# Altium PCB NORA-B1-EVK.PcbDoc (part 1 of 6) (continued)
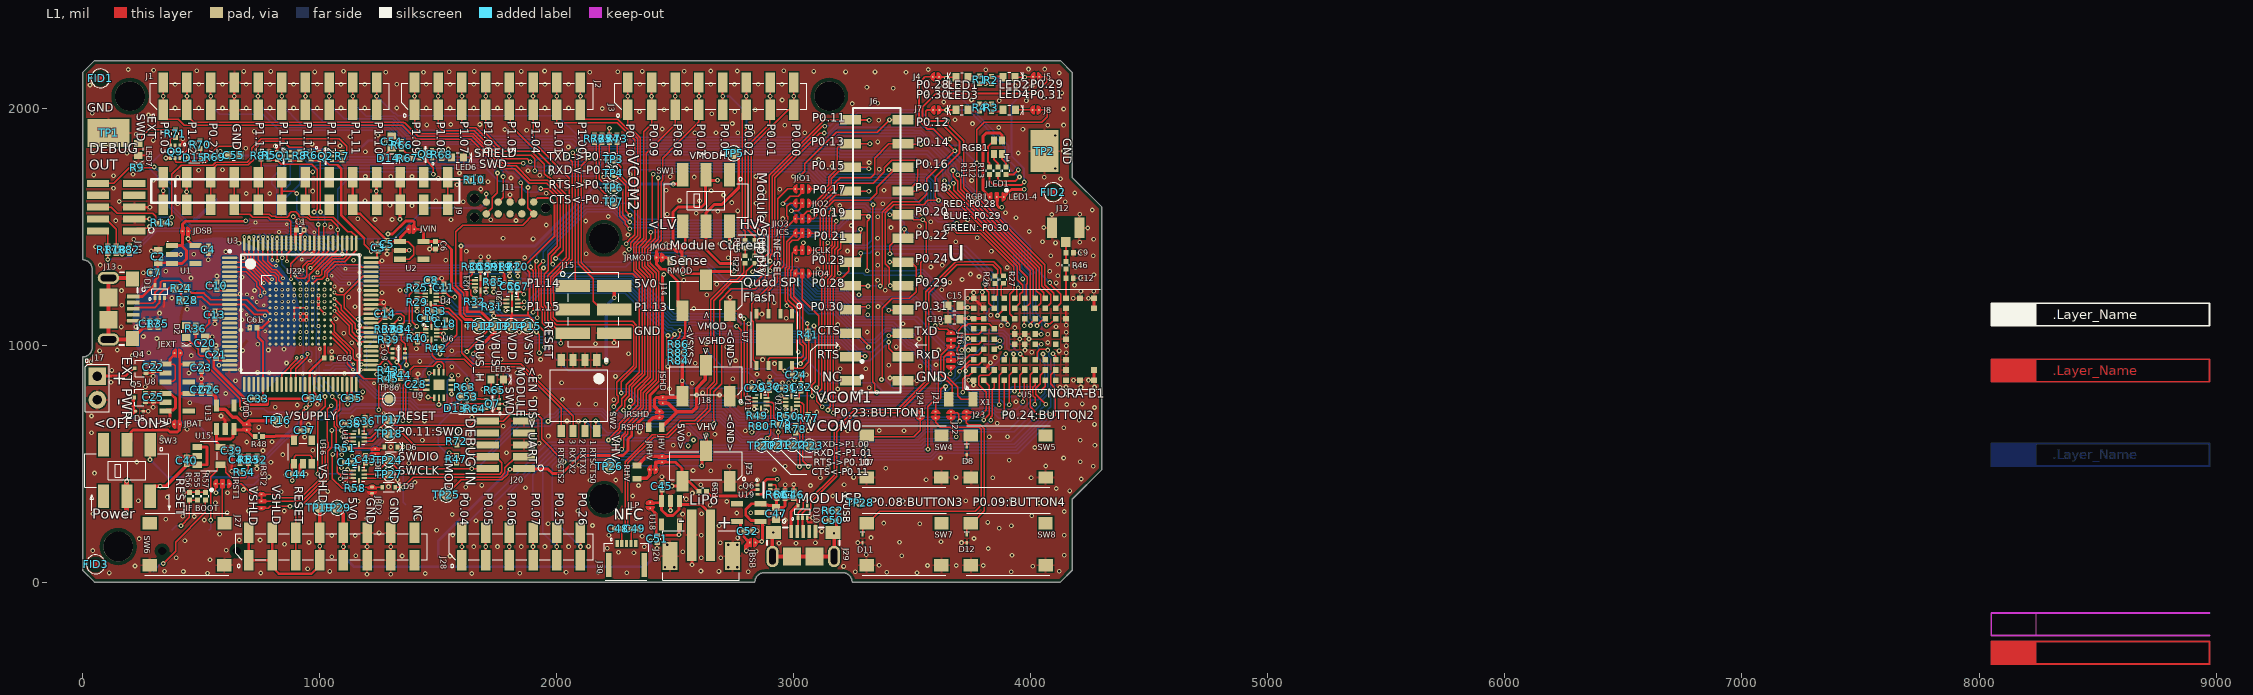
[diagram p0: L1 view]
## Components (designator, comment, footprint, x,y, rotation, side; value= is the part's Value field where it differs from the comment) (continued)
JVIN "UBXH00-0000082" Solderbridge-Open#8 1398.62,1488.99 r180 top
LED1 "UBXH11-0000000" LED_0603_RED 3709.48,2129.92 r0 top value=RED
LED2 "UBXH11-0000000" LED_0603_RED 3908.46,2130.53 r180 top value=RED
LED3 "UBXH11-0000001" LED_0603_GREEN 3709,1992 r0 top value=GREEN
LED4 "UBXH11-0000001" LED_0603_GREEN 3909,1992 r180 top value=GREEN
LED5 "UBXH11-0000001" LED_0603_GREEN 1749.02,854.7 r180 top value=GREEN
LED6 "UBXH11-0000001" LED_0603_GREEN 1582,1791.59 r180 top value=GREEN
LED7 "UBXH11-0000001" LED_0603_GREEN 235.24,1825.79 r90 top value=GREEN
Q1 "UBXH20-0000084" SOT-563 847.91,1798.32 r0 top value=NTZD3155CT1G
Q2 "UBXH20-0000084" SOT-563 1025.28,1797.34 r0 top value=NTZD3155CT1G
Q3 "UBXH20-0000084" SOT-563 1333.32,965.27 r0 top value=NTZD3155CT1G
Q4 "UBXH20-0000087" SOT-523 241.71,901.78 r90 top
Q5 "UBXH20-0000087" SOT-523 239.76,778.54 r90 top
Q6 "UBXH20-0000084" SOT-563 2874,390.23 r0 top value=NTZD3155CT1G
Q7 "UBXH20-0000084" SOT-563 1730.48,751.9 r180 top value=NTZD3155CT1G
Q8 "UBXH20-0000084" SOT-563 1447.41,1805.12 r180 top value=NTZD3155CT1G
Q9 "UBXH20-0000084" SOT-563 390.15,1815.94 r270 top value=NTZD3155CT1G
R1 "UBXH18-0000269499R" "RES 0402 HD" 3784,2118.75 r270 top value=499R
R2 "UBXH18-0000269499R" "RES 0402 HD" 3834,2118 r270 top value=499R
R3 "UBXH18-0000269499R" "RES 0402 HD" 3834,2001.25 r270 top value=499R
R4 "UBXH18-0000269499R" "RES 0402 HD" 3784,2002 r270 top value=499R
R5 "UBXH18-000006510K" "RES 0402 HD" 786.42,1799.9 r270 top value=10K
R6 "UBXH18-000006510K" "RES 0402 HD" 962.97,1800.2 r270 top value=10K
R7 "UBXH18-000006510K" "RES 0402 HD" 1094.49,1797.34 r90 top value=10K
R8 "UBXH18-000006510K" "RES 0402 HD" 915.87,1798.32 r270 top value=10K
R9 "UBXH18-0000269499R" "RES 0402 HD" 230,1747.2 r0 top value=499R
R10 "UBXH18-0007056200R" "RES 0603 HD" 1652.89,1697.98 r180 top value=200R
R11 "UBXH18-0008033220R" "RES 0402 HD" 3826,1736 r90 top value=220R
R12 "UBXH18-0008033220R" "RES 0402 HD" 3861,1736 r90 top value=220R
R13 "UBXH18-0000269499R" "RES 0402 HD" 3896,1736 r90 top value=499R
R14 "UBXH18-0000269499R" "RES 0402 HD" 331.61,1515.45 r0 top value=499R
R15 "UBXH18-00030020R" "RES 0402 HD" 2794.29,1425.25 r270 top value=0R
R16 "UBXH18-00030020R" "RES 0402 HD" 2835.63,1425.09 r270 top value=0R
R17 "UBXH18-0000269499R" "RES 0402 HD" 106.02,1401.57 r270 top value=499R
R18 "UBXH18-0000269499R" "RES 0402 HD" 141.73,1401.57 r270 top value=499R
R19 "UBXH18-00081211M0" "RES 0402 HD" 1766.73,1329.43 r270 top value=1M0
R20 "UBXH18-0000005100K" "RES 0402 HD" 1835.63,1329.72 r90 top value=100K
R21 "UBXH18-0000005100K" "RES 0402 HD" 1801.18,1329.72 r90 top value=100K
R22 "UBXH18-00030020R" "RES 0402 HD" 2794.29,1361.2 r90 top value=0R
R23 "UBXH18-00030020R" "RES 0402 HD" 2835.63,1361.2 r90 top value=0R
R24 "UBXH18-000703527R" "RES 0603 HD" 415.1,1240.35 r0 top value=27R
R25 "UBXH18-0000005100K" "RES 0402 HD" 1411,1242.68 r90 top value=100K
R26 "UBXH18-000801127R" "RES 0402 HD" 3848.15,1275.59 r90 top value=27R
R27 "UBXH18-000801127R" "RES 0402 HD" 3884.71,1276.57 r90 top value=27R
R28 "UBXH18-000703527R" "RES 0603 HD" 441.8,1188.98 r0 top value=27R
R29 "UBXH18-0000005100K" "RES 0402 HD" 1411,1180.11 r270 top value=100K
R30 "UBXH18-00081211M0" "RES 0402 HD" 1643.45,1330.69 r90 top value=1M0
R31 "UBXH18-0000005100K" "RES 0402 HD" 1726.97,1161.52 r270 top value=100K
R32 "UBXH18-0000005100K" "RES 0402 HD" 1654.17,1181.91 r270 top value=100K
R33 "UBXH18-000006510K" "RES 0402 HD" 1489.04,1143 r180 top value=10K
R34 "UBXH18-000006510K" "RES 0402 HD" 1343.21,1067.14 r270 top value=10K
R35 "UBXH18-000006510K" "RES 0402 HD" 318.47,1089.06 r90 top value=10K
R36 "UBXH18-0000269499R" "RES 0402 HD" 477.36,1069.18 r270 top value=499R
R37 "UBXH18-000006510K" "RES 0402 HD" 1275.71,1066.73 r90 top value=10K
R38 "UBXH18-000006510K" "RES 0402 HD" 1309.15,1066.73 r90 top value=10K
R39 "UBXH18-00002134K7" "RES 0402 HD" 1290.71,1021.73 r0 top value=4K7
R40 "UBXH18-00081211M0" "RES 0402 HD" 1412.4,1029.53 r270 top value=1M0
R41 "UBXH18-0008113470K" "RES 0402 HD" 3059.06,1043.83 r270 top value=470K
R42 "UBXH18-000006510K" "RES 0402 HD" 1491.65,987.2 r180 top value=10K
R43 "UBXH18-000006510K" "RES 0402 HD" 1288.49,893.19 r0 top value=10K
R44 "UBXH18-000006510K" "RES 0402 HD" 1341.74,873.56 r270 top value=10K
R45 "UBXH18-000006510K" "RES 0402 HD" 1288.49,857.82 r0 top value=10K
R46 "UBXH18-00030020R" "RES 0402 HD" 4148.23,1336.46 r90 top value=0R
R47 "UBXH18-00081211M0" "RES 0402 HD" 1576.45,519 r90 top value=1M0
R48 "UBXH18-00030020R" "RES 0402 HD" 743.7,615 r0 top value=0R
R49 "UBXH18-000006510K" "RES 0402 HD" 2846.68,701.43 r180 top value=10K
R50 "UBXH18-000006510K" "RES 0402 HD" 2974.16,700.84 r0 top value=10K
R51 "UBXH18-000006510K" "RES 0402 HD" 1108,564 r0 top value=10K
R52 "UBXH18-00080491K0" "RES 0402 HD" 735.24,516.94 r90 top value=1K0
R53 "UBXH18-000006510K" "RES 0402 HD" 700.03,516.94 r90 top value=10K
R54 "UBXH18-00005688K87" "RES 0402 HD" 682.09,464.32 r0 top value=8K87
R55 "UBXH18-000006510K" "RES 0402 HD" 484.06,361.73 r270 top value=10K
R56 "UBXH18-000006510K" "RES 0402 HD" 450.79,361.73 r270 top value=10K
R57 "UBXH18-00005694K22" "RES 0402 HD" 517.9,361.73 r270 top value=4K22
R58 "UBXH18-000006510K" "RES 0402 HD" 1149.09,395.3 r0 top value=10K
R59 "UBXH18-000006510K" "RES 0402 HD" 2616.14,382.87 r0 top value=10K
R60 "UBXH18-000006510K" "RES 0402 HD" 2929.08,369.23 r270 top value=10K
R61 "UBXH18-000006510K" "RES 0402 HD" 2963.5,369.23 r90 top value=10K
R62 "UBXH18-000006510K" "RES 0402 HD" 3165,301.23 r180 top value=10K
R63 "UBXH18-0000005100K" "RES 0402 HD" 1611.96,822.36 r0 top value=100K
R64 "UBXH18-0008033220R" "RES 0402 HD" 1656.5,732.21 r0 top value=220R
R65 "UBXH18-0008033220R" "RES 0402 HD" 1738.96,809.73 r180 top value=220R
R66 "UBXH18-0000005100K" "RES 0402 HD" 1345.47,1843.57 r90 top value=100K
R67 "UBXH18-0008033220R" "RES 0402 HD" 1372.18,1788.39 r0 top value=220R
R68 "UBXH18-0008033220R" "RES 0402 HD" 1514.76,1802.17 r270 top value=220R
R69 "UBXH18-0000005100K" "RES 0402 HD" 558.12,1793.31 r0 top value=100K
R70 "UBXH18-0008033220R" "RES 0402 HD" 495.3,1845.47 r90 top value=220R
R71 "UBXH18-0008033220R" "RES 0402 HD" 391.69,1891.73 r90 top value=220R
R72 "UBXH18-0000005100K" "RES 0402 HD" 1578.74,594.49 r90 top value=100K
R73 "UBXH18-0000005100K" "RES 0402 HD" 2255,1870.69 r90 top value=100K
R74 "UBXH18-0000005100K" "RES 0402 HD" 2222.44,1870.69 r90 top value=100K
R75 "UBXH18-0000005100K" "RES 0402 HD" 2190.55,1870.69 r90 top value=100K
R76 "UBXH18-0000005100K" "RES 0402 HD" 2159.45,1870.69 r90 top value=100K
R77 "UBXH18-0000005100K" "RES 0402 HD" 3061.22,691.94 r90 top value=100K
R78 "UBXH18-0000005100K" "RES 0402 HD" 3008.37,644.69 r90 top value=100K
R79 "UBXH18-0000005100K" "RES 0402 HD" 2946.85,666.34 r0 top value=100K
R80 "UBXH18-0000005100K" "RES 0402 HD" 2853.98,658.57 r180 top value=100K
R81 "UBXH18-00081211M0" "RES 0402 HD" 752.91,1799.46 r270 top value=1M0
R82 "UBXH18-00081211M0" "RES 0402 HD" 197.18,1401.57 r270 top value=1M0
R83 "UBXH18-0000005100K" "RES 0402 HD" 2512,968.2 r0 top value=100K
R84 "UBXH18-0000005100K" "RES 0402 HD" 2512.42,933.55 r0 top value=100K
R85 "UBXH18-0000005100K" "RES 0402 HD" 1733.73,1264.92 r90 top value=100K
R86 "UBXH18-0000005100K" "RES 0402 HD" 2512,1002.95 r0 top value=100K
RGB1 "UBXH11-0000058" LED_0606_RGB_4PIN 3861,1834 r180 top value=LTST-C19HE1WT
RHV "UBXH18-00005551" RES_0603_1700Lx950Wx600H_600x1000Pad_800G_FLX 2338.58,464.57 r90 top value=1
RMOD "UBXH18-00005551" RES_0603_1700Lx950Wx600H_600x1000Pad_800G_FLX 2506,1354.99 r0 top value=1
RSHD "UBXH18-00005551" RES_0603_1700Lx950Wx600H_600x1000Pad_800G_FLX 2416.04,653.08 r0 top value=1
SW1 "UBXH19-0000050" SW_Slide_DPDT_JS202011SCQN 2630,1610 r180 top locked value=JS202011SCQN
SW2 "UBXH19-0000055" SOP1.27P6.2x6.2-8Pin 2093.9,787.04 r270 top
SW3 "UBXH19-0000050" SW_Slide_DPDT_JS202011SCQN 186.61,470.67 r180 top locked value=JS202011SCQN
SW4 "UBXH19-0000035" SW_TACT_SMT_6mm 3465,530 r0 top locked value=PTS645SM43SMTR92LFS
SW5 "UBXH19-0000035" SW_TACT_SMT_6mm 3905,530 r0 top locked value=PTS645SM43SMTR92LFS
SW6 "UBXH19-0000035" SW_TACT_SMT_6mm 440,160 r0 top value=PTS645SM43SMTR92LFS
SW7 "UBXH19-0000035" SW_TACT_SMT_6mm 3465,160 r0 top locked value=PTS645SM43SMTR92LFS
SW8 "UBXH19-0000035" SW_TACT_SMT_6mm 3905,160 r0 top locked value=PTS645SM43SMTR92LFS
SW9 "UBXH19-0000039" CL-SB-13B-01T 453.82,131.3 r0 bottom value=CL-SB-13B-01T
TP1 "UBXH00-0000097" TP4.5x3Sq 110,1895 r180 top
TP2 "UBXH00-0000097" TP4.5x3Sq 4057,1818 r90 top
TP3 "TP" TP10R 2239.11,1784.57 r90 top
TP4 "TP" TP10R 2239.11,1724.57 r90 top
TP5 "TP" TP12R 2747.05,1808.87 r270 top
TP6 "TP" TP10R 2239.11,1664.57 r90 top
TP7 "TP" TP10R 2239.11,1604.57 r90 top
TP12 "TP" TP12R 1671.85,1080.34 r90 top
TP13 "TP" TP12R 1740.64,1080.34 r90 top
TP14 "TP" TP12R 1808.47,1080.34 r90 top
TP15 "TP" TP12R 1877.05,1079.76 r270 top
TP16 "TP" TP10R 821.01,682.34 r90 top
TP17 "TP" TP10R 1292,685 r90 top
TP18 "TP" TP10R 1292,625 r90 top
TP19 "TP" TP12R 1000,314.53 r90 top
TP20 "TP" TP10R 2863.47,575.79 r0 top
TP21 "TP" TP10R 2928.67,577.59 r0 top
TP22 "TP" TP10R 2992.92,578.74 r0 top
TP23 "TP" TP10R 3066.73,575.79 r0 top
TP24 "TP" TP10R 1292,515 r90 top
TP25 "TP" TP12R 1534.45,368.89 r180 top
TP26 "TP" TP12R 2222.44,489.17 r270 top
TP27 "TP" TP10R 1292,455 r90 top
TP28 "TP" TP10R_NO_SILK 3280,335.62 r90 top
TP29 "TP" TP12R 1073.92,313.56 r90 top
TP30 "TP" TP10R_NO_SILK 3000,2090 r90 bottom locked
TP31 "TP" TP10R_NO_SILK 2900,2090 r90 bottom locked
TP32 "TP" TP10R 2800,2090 r90 bottom locked
TP33 "TP" TP10R 2700,2090 r90 bottom locked
TP34 "TP" TP10R_NO_SILK 2600,2090 r90 bottom locked
TP35 "TP" TP10R_NO_SILK 2500,2090 r90 bottom locked
TP36 "TP" TP10R_NO_SILK 2400,2090 r90 bottom locked
TP37 "TP" TP10R_NO_SILK 2300,2090 r90 bottom locked
TP38 "TP" TP10R_NO_SILK 2100,2090 r90 bottom locked
TP39 "TP" TP10R_NO_SILK 2000,2090 r90 bottom locked
TP40 "TP" TP10R_NO_SILK 1900,2090 r90 bottom locked
TP41 "TP" TP10R_NO_SILK 1800,2090 r90 bottom locked
TP42 "TP" TP10R_NO_SILK 1700,2090 r90 bottom locked
TP43 "TP" TP10R_NO_SILK 1600,2090 r90 bottom locked
TP44 "TP" TP10R_NO_SILK 1500,2090 r90 bottom locked
TP45 "TP" TP10R_NO_SILK 1400,2090 r90 bottom locked
TP46 "TP" TP10R_NO_SILK 1240,2090 r90 bottom locked
TP47 "TP" TP10R_NO_SILK 1140,2090 r90 bottom locked
TP48 "TP" TP10R_NO_SILK 1040,2090 r90 bottom locked
TP49 "TP" TP10R_NO_SILK 940,2090 r90 bottom locked
TP50 "TP" TP10R_NO_SILK 840,2090 r90 bottom locked
TP51 "TP" TP10R_NO_SILK 740,2090 r90 bottom locked
TP52 "TP" TP10R_NO_SILK 640,2090 r90 bottom locked
TP53 "TP" TP10R_NO_SILK 540,2090 r90 bottom locked
TP54 "TP" TP10R_NO_SILK 440,2090 r90 bottom locked
TP55 "TP" TP10R_NO_SILK 340,2090 r90 bottom locked
TP56 "TP" TP10R_NO_SILK 3506,1949 r90 bottom locked
TP57 "TP" TP10R_NO_SILK 3281,1949 r90 bottom locked
TP58 "UBXH00-0000097" TP4.5x3Sq 4057,1818 r270 bottom locked
TP59 "UBXH00-0000097" TP4.5x3Sq 110,1895 r180 bottom locked
TP60 "TP" TP10R 3506,1849.25 r90 bottom locked
TP61 "TP" TP10R 3281,1849.25 r90 bottom locked
TP62 "TP" TP10R 3506,1749.5 r90 bottom locked
TP63 "TP" TP10R 3281,1749.5 r90 bottom locked
TP64 "TP" TP10R 3506,1649.75 r90 bottom locked
TP65 "TP" TP10R 3281,1649.75 r90 bottom locked
TP66 "TP" TP10R_NO_SILK 3506,1550 r90 bottom locked
TP67 "TP" TP10R_NO_SILK 3281,1550 r90 bottom locked
TP68 "TP" TP10R_NO_SILK 3506,1450.25 r90 bottom locked
TP69 "TP" TP10R_NO_SILK 3281,1450.25 r90 bottom locked
TP70 "TP" TP10R_NO_SILK 3506,1350.5 r90 bottom locked
TP71 "TP" TP10R_NO_SILK 3281,1350.5 r90 bottom locked
TP72 "TP" TP10R_NO_SILK 3506,1250.75 r90 bottom locked
TP73 "TP" TP10R_NO_SILK 3281,1250.75 r90 bottom locked
TP74 "TP" TP10R_NO_SILK 3506,1151 r90 bottom locked
TP75 "TP" TP10R_NO_SILK 3281,1151 r90 bottom locked
TP76 "TP" TP10R_NO_SILK 3506,1051 r90 bottom
TP77 "TP" TP10R 1364,326 r90 bottom locked
TP78 "TP" TP10R_NO_SILK 2100,110 r90 bottom locked
TP79 "TP" TP10R_NO_SILK 2000,110 r90 bottom locked
TP80 "TP" TP10R_NO_SILK 1800,110 r90 bottom locked
TP81 "TP" TP10R_NO_SILK 1700,110 r90 bottom locked
TP82 "TP" TP10R_NO_SILK 1600,110 r90 bottom locked
TP83 "TP" TP10R_NO_SILK 1200,110 r90 bottom locked
TP84 "TP" TP10R_NO_SILK 1100,110 r90 bottom locked
TP85 "TP" TP10R_NO_SILK 1000,110 r90 bottom locked
TP86 "TP" TP10R 1292.04,772.64 r270 top
TPCLK1 "TP" TP10R 876.25,1680 r90 bottom locked
TPDIO1 "TP" TP10R 798.75,1680 r90 bottom locked
TPRST1 "TP" TP10R 760,1756 r90 bottom locked
TPSWO1 "TP" TP10R 915,1756 r90 bottom locked
U1 "UBXH12-0000539" SOT-23-5_2 426.41,1382.1 r0 top value=MAX40203AUK+T
U2 "UBXH12-0000539" SOT-23-5_2 1388.78,1399.5 r0 top value=MAX40203AUK+T
U3 "MK22FN128VLL10" TSQFP50P1600X1600X160-100N 918.31,1132.1 r0 top locked
U4 "UBXH10-0000106" QFN0.4P3x1-8Pin 1468.5,1202.76 r0 top value=NTSX2102GU8
U5 "UBXH14-0000700" NORA-B106 3975,1025 r0 top value=NORA-B106-00B-00
U6 "UBXH10-0000106" QFN0.4P3x1-8Pin 1471.03,1051.18 r0 top value=NTSX2102GU8
U7 "UBXH13-0000138" WSON1.27P-8Pin_W-Pad 2918.31,1023.35 r180 top value=MX25R6435FZNIL0
U8 "UBXH12-0000539" SOT-23-5_2 398.22,882.1 r0 top value=MAX40203AUK+T
U9 "UBXH12-0000549" QFN-120.5P3x3-12pin 1502.85,832.68 r270 top value=DG2034EDN-T1-GE4
U10 "UBXH12-0000539" SOT-23-5_2 398.22,758.86 r0 top value=MAX40203AUK+T
U11 "UBXH10-0000106" QFN0.4P3x1-8Pin 2861.25,761.17 r0 top value=NTSX2102GU8
U12 "UBXH10-0000106" QFN0.4P3x1-8Pin 2989.87,759.84 r0 top value=NTSX2102GU8
U13 "UBXH12-0000539" SOT-23-5_2 601.8,695.75 r90 top value=MAX40203AUK+T
U14 "UBXH10-0000106" QFN0.4P3x1-8Pin 1165,610 r0 top value=NTSX2102GU8
U15 "UBXH12-0000547" SOT-23-5_3D_Body_Fix 532.48,532.69 r0 top value=AP2127K-ADJTRG1
U16 "UBXH12-0000546" SOT-23-5_3D_Body_Fix 929.13,549.06 r90 top value=AP2127K-3.3TRG1
U17 "UBXH10-0000106" QFN0.4P3x1-8Pin 1165,455 r0 top value=NTSX2102GU8
U18 "UBXH12-0000539" SOT-23-5_2 2480,292.34 r270 top value=MAX40203AUK+T
U19 "UBXH12-0000539" SOT-23-5_2 2810.13,293.23 r180 top value=MAX40203AUK+T
U20 "UBXH10-0000106" QFN0.4P3x1-8Pin 1811.81,1176.38 r0 top value=NTSX2102GU8
U21 "UBXH10-0000106" QFN0.4P3x1-8Pin 1678.97,1257.85 r0 top value=NTSX2102GU8
U22 "MK22FN128VDC10" BGA0.5P8x8-121Pin 918.31,1132.09 r0 top locked
X1 "UBXH21-0000123" XTAL_3215 3704.72,771.65 r0 top value=32.768KHZ

## Footprints (in the part's own frame and the unit in brackets; to place one, negate y for a bottom-side part, rotate by r counter-clockwise, add the part's x,y. Pads: shape width x height; smd on the part's side, far side on the other; paste and mask are expansions set on the pad)
B2B-PH-SM4-TB [mm] "Connector Header Surface Mount, Vertical, 2 position 0.079\" (2.00mm)"
  rect 1x5.5 smd: 1(1,0) 2(-1,0)
  rect 1.6x3 smd: MH1(-3.35,2.25) MH1(3.35,2.25)
  silkscreen extent -4.1,-0.5 4.1,4.8, body extent -3.98,-2.3 3.98,4.7, height 6.61
Battery_S8211-46R_large [mm]
  round 18 on Bottom Solder paste+0: 0(0,0)
  rect 5.08x5.08 smd: 1(-13.081,0) 1(13.081,0)
  rrect50% 10x10 smd paste-9: 2(0,0)
  L1 lines w5: -6.498,0.164 ccw(c0,0) 0.088,6.499 ; -6.489,0.37 cw(c0,0) -2.466,6.014
  silkscreen extent -10.54,-9.53 10.54,11.43, body extent -15.37,-10.27 15.37,9.78, height 3.96
BGA0.5P8x8-121Pin [mm] "BGA 121Pin, 0.5mm pitch, 8mm x 8mm x 0.75mm, Medium Density"
  round 0.3 smd: A1(-3.25,3.25) A2(-2.6,3.25) A3(-1.95,3.25) A4(-1.3,3.25) A5(-0.65,3.25) A6(0,3.25) A7(0.65,3.25) A8(1.3,3.25) A9(1.95,3.25) A10(2.6,3.25) A11(3.25,3.25) B1(-3.25,2.6) B2(-2.6,2.6) B3(-1.95,2.6) B4(-1.3,2.6) B5(-0.65,2.6) B6(0,2.6) B7(0.65,2.6) B8(1.3,2.6) B9(1.95,2.6) B10(2.6,2.6) B11(3.25,2.6) C1(-3.25,1.95) C2(-2.6,1.95) C3(-1.95,1.95) C4(-1.3,1.95) C5(-0.65,1.95) C6(0,1.95) C7(0.65,1.95) C8(1.3,1.95) C9(1.95,1.95) C10(2.6,1.95) C11(3.25,1.95) D1(-3.25,1.3) D2(-2.6,1.3) D3(-1.95,1.3) D4(-1.3,1.3) D5(-0.65,1.3) D6(0,1.3) D7(0.65,1.3) D8(1.3,1.3) D9(1.95,1.3) D10(2.6,1.3) D11(3.25,1.3) E1(-3.25,0.65) E2(-2.6,0.65) E3(-1.95,0.65) E4(-1.3,0.65) E5(-0.65,0.65) E6(0,0.65) E7(0.65,0.65) E8(1.3,0.65) E9(1.95,0.65) E10(2.6,0.65) E11(3.25,0.65) F1(-3.25,0) F2(-2.6,0) F3(-1.95,0) F4(-1.3,0) F5(-0.65,0) F6(0,0) F7(0.65,0) F8(1.3,0) F9(1.95,0) F10(2.6,0) F11(3.25,0) G1(-3.25,-0.65) G2(-2.6,-0.65) G3(-1.95,-0.65) G4(-1.3,-0.65) G5(-0.65,-0.65) G6(0,-0.65) G7(0.65,-0.65) G8(1.3,-0.65) G9(1.95,-0.65) G10(2.6,-0.65) G11(3.25,-0.65) H1(-3.25,-1.301) H2(-2.6,-1.301) H3(-1.95,-1.301) H4(-1.3,-1.301) H5(-0.65,-1.301) H6(0,-1.301) H7(0.65,-1.301) H8(1.3,-1.301) H9(1.95,-1.301) H10(2.6,-1.301) H11(3.25,-1.301) J1(-3.25,-1.951) J2(-2.6,-1.951) J3(-1.95,-1.951) J4(-1.3,-1.951) J5(-0.65,-1.951) J6(0,-1.951) J7(0.65,-1.951) J8(1.3,-1.951) J9(1.95,-1.951) J10(2.6,-1.951) J11(3.25,-1.951) K1(-3.25,-2.601) K2(-2.6,-2.601) K3(-1.95,-2.601) K4(-1.3,-2.601) K5(-0.65,-2.601) K6(0,-2.601) K7(0.65,-2.601) K8(1.3,-2.601) K9(1.95,-2.601) K10(2.6,-2.601) K11(3.25,-2.601) L1(-3.25,-3.251) L2(-2.6,-3.251) L3(-1.95,-3.251) L4(-1.3,-3.251) L5(-0.65,-3.251) L6(0,-3.251) L7(0.65,-3.251) L8(1.3,-3.251) L9(1.95,-3.251) L10(2.6,-3.251) L11(3.25,-3.251)
  silkscreen extent -4.13,3.13 -3.13,4.13, body extent -4,-4 4,4, height 0.51
"Cap 0402 HD" [mm] "Chip Capacitor, 2-Leads, Body 1.00x0.50mm, IPC High Density"
  rect 0.52x0.55 smd: 1(-0.4,0) 2(0.4,0)
  silkscreen extent -0.1,-0.38 0.1,0.38, body extent -0.55,-0.3 0.55,0.3, height 0.6
"Cap 0603 HD" [mm] "Chip Cap 0603, 1.75mm x 9.5mm IPC High Density"
  rect 0.75x0.9 smd: 1(-0.65,0) 2(0.65,0)
  silkscreen extent -0.15,-0.5 0.15,0.5, body extent -0.87,-0.48 0.87,0.47, height 0.95
CL-SB-13B-01T [mm] "Slide Switch SP3T Surface Mount, Vertical"
  rect 1.2x1.4 smd: 1(-4,2.2) 2(-2,-2.2) 3(2,-2.2) 4(4,2.2)
  round 0 hole 0.9 unplated: EPAD(-3,0) EPAD(5,0)
  silkscreen extent -6,-2 6,2, body extent -6,-2.5 6,2.5, height 5.51
FIDUCIAL40 [mil] "FIDUCIAL .040\" Center, 0.075\" Outer Dia"
  L1 circle w6: c0,0 r17.1
  L1 pour cut-out: 0,-35 -13.39,-32.34 -24.75,-24.75 -32.34,-13.39 -35,0 -35,0 -32.34,13.39 -24.75,24.75 -13.39,32.34 0,35 0,35 13.39,32.34 24.75,24.75 32.34,13.39 35,0 35,0 32.34,-13.39 24.75,-24.75 13.39,-32.34 0,-35
  L1 region: 0,-17.1 -6.54,-15.8 -12.09,-12.09 -15.8,-6.54 -17.1,0 -17.1,0 -15.8,6.54 -12.09,12.09 -6.54,15.8 0,17.1 0,17.1 6.54,15.8 12.09,12.09 15.8,6.54 17.1,0 17.1,0 15.8,-6.54 12.09,-12.09 6.54,-15.8 0,-17.1
  silkscreen extent -40,-40 40,40
FTSH-105-01-F-DV-K [mm] "Header, 0.05\" Pitch, 10 Pin 2 x 5, Keyed, SMT, 6.35mm x 5.84mm"
  rect 0.76x2.4 smd: 1(-2.54,-1.95) 2(-2.54,1.95) 3(-1.27,-1.95) 4(-1.27,1.95) 5(0,-1.95) 6(0,1.95) 7(1.27,-1.95) 8(1.27,1.95) 9(2.54,-1.95) 10(2.54,1.95)
  silkscreen extent -2.76,-4.05 -2.16,-3.45, body extent -3.4,-2.9 3.4,2.9, height 5.96
HDR-0.1P-2PIN-TH [mil] "Header 0.1\" Pitch, 2 Pin, 2x1, Through Hole"
  rect 74x74 hole 40: 1(0,-50)
  round 74 hole 40: 2(0,50)
  silkscreen extent -50,-122 52,100, body extent -50,-100 50,100, height 320
HDR-0.1P-3Pin-1Row-SMT [mm] "Header 0.1\" Pitch, 3 Pin, 3x1, Surface Mount"
  rect 1.27x2.2 smd: 1(-2.54,1.65) 2(0,-1.65) 3(2.54,1.65)
  silkscreen extent -3.9,-1.5 3.9,2.38, body extent -3.81,-2.54 3.81,2.54, height 9.93
HDR-0.1P-6Pin-3x2-SMT [mm] "CON HDR 0.1\" 6Pin 2Row SMD, 7.62mm x 5.08mm"
  rect 1.27x3.68 smd: 1(-2.54,-2.22) 2(-2.54,2.22) 3(0,-2.22) 4(0,2.22) 5(2.54,-2.22) 6(2.54,2.22)
  silkscreen extent -4.05,-3.55 4,2.7, body extent -3.81,-3.75 3.81,3.75, height 9.7
LED_0603_GREEN [mm] "Green 571nm LED Indication - Discrete 2V 0603 (1608 Metric)"
  rect 0.75x0.9 smd: 1(-0.65,0) 2(0.65,0)
  silkscreen extent -1.52,-0.5 0.15,0.5, body extent -0.85,-0.45 0.85,0.45, height 0.9
LED_0603_RED [mm] "Red 621nm LED Indication - Discrete 2V 0603 (1608 Metric)"
  rect 0.75x0.9 smd: 1(-0.65,0) 2(0.65,0)
  silkscreen extent -1.52,-0.5 0.15,0.5, body extent -0.85,-0.45 0.85,0.45, height 0.9
LED_0606_RGB_4PIN [mm] "Red, Green, Blue (RGB) 624nm Red, 525nm Green, 470nm Blue LED Indication - Discrete 2.1V Red, 3.35V Green, 3.35V Blue 0606 (1616 Metric)"
  rect 0.65x0.85 smd: 1(-0.425,0.725) 2(0.425,0.725) 3(0.425,-0.725) 4(-0.425,-0.725)
  body extent -0.75,-0.8 0.75,0.8, height 0.36
"Molex 051281-0594" [mm] "FPC 0.50mm Pitch, 5Pin, R/A"
  rect 0.6x2.6 smd: 0(-1.9,0) 0(1.9,0)
  rect 0.35x0.8 smd: 1(-1,2.3) 2(-0.5,2.3) 3(0,2.3) 4(0.5,2.3) 5(1,2.3)
  silkscreen extent -2.4,-1.65 2.4,2.85, body extent -2.3,-1.55 2.3,2.5, height 1.2
NORA-B106 [mm] "NORA LGA, 82pin ,1.1mm Pitch, 14.3mm x 10.4mm, Niche Ant"
  rect 0.6x0.6 smd: A1(-5.5,-4.4) A2(-5.5,-3.3) A3(-5.5,-2.2) A4(-5.5,-1.1) A5(-5.5,0) A6(-5.5,1.1) A7(-5.5,2.2) A8(-5.5,3.3) A9(-5.5,4.4) B1(-4.4,-4.4) B2(-4.4,-3.3) B3(-4.4,-2.2) B4(-4.4,-1.1) B5(-4.4,0) B6(-4.4,1.1) B7(-4.4,2.2) B8(-4.4,3.3) B9(-4.4,4.4) C1(-3.3,-4.4) C2(-3.3,-3.3) C4(-3.3,-1.1) C5(-3.3,0) C6(-3.3,1.1) C8(-3.3,3.3) C9(-3.3,4.4) D1(-2.2,-4.4) D2(-2.2,-3.3) D3(-2.2,-2.2) D7(-2.2,2.2) D8(-2.2,3.3) D9(-2.2,4.4) E1(-1.1,-4.4) E2(-1.1,-3.3) E3(-1.1,-2.2) E4(-1.1,-0.55) E5(-1.1,0.55) E7(-1.1,2.2) E8(-1.1,3.3) E9(-1.1,4.4) F1(0,-4.4) F2(0,-3.3) F3(0,-2.2) F4(0,-0.55) F5(0,0.55) F7(0,2.2) F8(0,3.3) F9(0,4.4) G1(1.1,-4.4) G2(1.1,-3.3) G3(1.1,-2.2) G4(1.1,-0.55) G5(1.1,0.55) G7(1.1,2.2) G8(1.1,3.3) G9(1.1,4.4) H1(2.2,-4.4) H2(2.2,-3.3) H3(2.2,-2.2) H7(2.2,2.2) H8(2.2,3.3) H9(2.2,4.4) J1(3.3,-4.4) J2(3.3,-3.3) J3(3.3,-2.2) J4(3.3,-0.55) J5(3.3,0.55) J7(3.3,2.2) J8(3.3,3.3) J9(3.3,4.4) K1(4.4,-4.4) K2(4.4,-3.3) K3(4.4,-2.2) K5(4.4,0) K7(4.4,2.2) K8(4.4,3.3) K9(4.4,4.4) L1(5.9,-4.4) L9(5.9,4.4) M1(7.4,-4.4) M2(7.4,-3.3) M8(7.4,3.3) M9(7.4,4.4)
  Multi-Layer pour cut-out: 7.1,-4.1 7.1,-3.001 7.9,-2.998 7.9,-5.225 8.25,-5.225 8.25,5.325 7.9,5.325 7.9,3 7.1,3 7.1,4.1 4.7,4.1 4.7,-4.1
  silkscreen extent -6.4,-5.35 8.05,5.35, body extent -6.25,-5.2 8.05,5.2, height 1.78
QFN0.4P3x1-8Pin [mm]
  rect 0.22x0.65 smd: 1(0,0.625)
  rect 0.6x0.22 smd: 2(-0.6,0.4) 3(-0.6,0) 4(-0.6,-0.4) 6(0.6,-0.4) 7(0.6,0) 8(0.6,0.4)
  rect 0.22x0.6 smd: 5(0,-0.7)
  silkscreen extent -0.63,-0.73 0.63,1.37, body extent -0.65,-0.75 0.65,0.75, height 0.5
QFN-120.5P3x3-12pin [mm] "QFN-12, .5mm pitch,  3mm x 3mm"
  rect 0.7x0.25 smd: 1(-1.35,0.5) 2(-1.35,0) 3(-1.35,-0.5) 7(1.367,-0.491) 8(1.367,0.009) 9(1.367,0.509)
  rect 0.25x0.7 smd: 4(-0.479,-1.341) 5(0.021,-1.341) 6(0.521,-1.341) 10(0.517,1.359) 11(0.017,1.359) 12(-0.483,1.359)
  rect 1.15x1.15 smd: EPAD(0,0)
  silkscreen extent -1.6,1.4 -1.59,1.4, body extent -1.5,-1.5 1.51,1.51, height 0.9
"RES 0402 HD" [mm] "Chip Resistor, 2-Leads, Body 1.05x0.54mm, IPC High Density"
  rect 0.52x0.55 smd: 1(-0.4,0) 2(0.4,0)
  silkscreen extent -0.1,-0.38 0.1,0.38, body extent -0.55,-0.3 0.55,0.3, height 0.4
"RES 0603 HD" [mm] "Chip Resistor, 2-Leads, Body 1.60x0.80mm, IPC High Density"
  rect 0.75x0.9 smd: 1(-0.65,0) 2(0.65,0)
  silkscreen extent -0.15,-0.5 0.15,0.5, body extent -0.85,-0.48 0.85,0.48, height 0.55
RES_0603_1700Lx950Wx600H_600x1000Pad_800G_FLX [mm] "Chip Cap 0603, 1.75mm x 9.5mm IPC High Density"
  rect 0.6x1 smd: 1(-0.7,0) 2(0.7,0)
  body extent -0.85,-0.48 0.85,0.47, height 0.6
SKT-0.1P-SSM-106-L-SV [mm] "Con Socket Strip 0.1\" 6Pin 1Row SMD 15.24mm x 2.54mm"
  rect 1.02x2.19 smd: 1(-6.35,-1.465) 1(-6.35,1.465) 2(-3.81,-1.465) 2(-3.81,1.465) 3(-1.27,-1.465) 3(-1.27,1.465) 4(1.27,-1.465) 4(1.27,1.465) 5(3.81,-1.465) 5(3.81,1.465) 6(6.35,1.465) 6(6.35,-1.465)
  silkscreen extent -7.73,-2.25 7.73,1.4, body extent -7.62,-2.29 7.62,2.29, height 7.47
SKT-0.1P-SSM-108-L-SV [mm] "Con Socket Strip 0.1\" 8 Pin 1Row SMD, 20.32mm x 2.54mm"
  rect 1.02x2.19 smd: 1(-8.89,-1.465) 1(-8.89,1.465) 2(-6.35,-1.465) 2(-6.35,1.465) 3(-3.81,-1.465) 3(-3.81,1.465) 4(-1.27,-1.465) 4(-1.27,1.465) 5(1.27,-1.465) 5(1.27,1.465) 6(3.81,1.465) 6(3.81,-1.465) 7(6.35,-1.465) 7(6.35,1.465) 8(8.89,-1.465) 8(8.89,1.465)
  silkscreen extent -10.28,-2.25 10.28,1.4, body extent -10.16,-2.29 10.16,2.29, height 7.44
SKT-0.1P-SSM-110-L-SV [mm] "Con Socket Strip 0.1\" 10Pin 1Row SMD, 24.5mm x 4.42mm"
  rect 1.02x2.19 smd: 1(-11.43,-1.465) 1(-11.43,1.465) 2(-8.89,-1.465) 2(-8.89,1.465) 3(-6.35,-1.465) 3(-6.35,1.465) 4(-3.81,-1.465) 4(-3.81,1.465) 5(-1.27,-1.465) 5(-1.27,1.465) 6(1.27,-1.465) 6(1.27,1.465) 7(3.81,-1.465) 7(3.81,1.465) 8(6.35,-1.465) 8(6.35,1.465) 9(8.89,-1.465) 9(8.89,1.465) 10(11.43,-1.465) 10(11.43,1.465)
  silkscreen extent -12.83,-2.27 12.8,1.4, body extent -12.7,-2.29 12.7,2.29, height 7.44
SOD-523 [mm] "SOD-523"
  rect 0.4x0.5 smd: A(0.7,0) C(-0.7,0)
  silkscreen extent -1.25,-0.51 0.6,0.51, body extent -0.8,-0.4 0.8,0.4, height 0.7
SOD-923 [mm] "SOD-923, 2-Leads, Body 1.25x2.50mm, IPC High Density,"
  rect 0.36x0.25 smd mask+0.05: 1(-0.42,0) 2(0.42,0)
  silkscreen extent -0.75,-0.25 -0.75,0.25, body extent -0.4,-0.3 0.4,0.3, height 0.4
Solderbridge-Open#1 [mm]
  round 0.2 smd paste-10: 1(0,0) 2(0.625,0)
  L1 region: 0.236,-0.432 0.16,-0.505 0.042,-0.467 -0.023,-0.424 -0.097,-0.351 -0.15,-0.292 -0.208,-0.193 -0.236,-0.099 -0.231,0.122 -0.206,0.193 -0.122,0.33 -0.038,0.411 0.054,0.469 0.155,0.5 0.206,0.483 0.236,0.43
  L1 region: 0.389,0.432 0.465,0.505 0.583,0.467 0.648,0.424 0.721,0.351 0.775,0.292 0.833,0.193 0.861,0.099 0.856,-0.122 0.831,-0.193 0.747,-0.33 0.663,-0.411 0.571,-0.469 0.47,-0.5 0.419,-0.483 0.389,-0.43
  L1 lines w0.152: 0.465,0.431 cw(c0.355,0) 0.774,0.149 cw(c0.355,0) 0.799,0 cw(c0.355,0) 0.774,-0.149 cw(c0.355,0) 0.762,-0.178 cw(c0.355,0) 0.465,-0.431 ; 0.159,0.431 ccw(c0.27,0) 0.025,0.371 ccw(c0.27,0) 0,0.353 ccw(c0.27,0) -0.175,0 ccw(c0.27,0) -0.137,-0.178 ccw(c0.27,0) 0,-0.353 ccw(c0.27,0) 0.103,-0.412 ccw(c0.27,0) 0.11,-0.415 ccw(c0.27,0) 0.159,-0.431
Solderbridge-Open#2 [mm]
  rrect50% 0.3x0.4 smd paste+0 mask+0.102: 1(-0.338,0.001)
  rrect50% 0.3x0.4 smd paste-10 mask+0.102: 2(0.338,0.001)
  L1 region: -0.177,-0.505 -0.175,-0.505 -0.147,-0.499 -0.122,-0.483 -0.106,-0.458 -0.1,-0.429 -0.1,-0.429 -0.1,0.429 -0.106,0.46 -0.123,0.485 -0.149,0.503 -0.179,0.509 -0.179,0.509 -0.252,0.492 -0.353,0.441 -0.443,0.366 -0.512,0.278 -0.559,0.174 -0.585,0.058 -0.587,-0.055 -0.56,-0.165 -0.507,-0.274 -0.44,-0.361 -0.352,-0.434 -0.251,-0.487
  L1 region: 0.177,0.505 0.175,0.505 0.147,0.499 0.122,0.483 0.106,0.458 0.1,0.429 0.1,0.429 0.1,-0.429 0.106,-0.46 0.123,-0.485 0.149,-0.503 0.179,-0.509 0.179,-0.509 0.252,-0.492 0.353,-0.441 0.443,-0.366 0.512,-0.278 0.559,-0.174 0.585,-0.058 0.587,0.055 0.56,0.165 0.507,0.274 0.44,0.361 0.352,0.434 0.251,0.487
Solderbridge-Open#3 [mm]
  round 0.2 smd paste-10: 1(0,0) 2(0.625,0)
  L1 region: 0.389,0.432 0.465,0.505 0.583,0.467 0.648,0.424 0.721,0.351 0.775,0.292 0.833,0.193 0.861,0.099 0.856,-0.122 0.831,-0.193 0.747,-0.33 0.663,-0.411 0.571,-0.469 0.47,-0.5 0.419,-0.483 0.389,-0.43
  L1 region: 0.236,-0.432 0.16,-0.505 0.042,-0.467 -0.023,-0.424 -0.097,-0.351 -0.15,-0.292 -0.208,-0.193 -0.236,-0.099 -0.231,0.122 -0.206,0.193 -0.122,0.33 -0.038,0.411 0.054,0.469 0.155,0.5 0.206,0.483 0.236,0.43
  L1 lines w0.152: 0.159,-0.431 cw(c0.27,0) 0,-0.353 cw(c0.27,0) -0.149,-0.149 cw(c0.27,0) -0.175,0 cw(c0.27,0) -0.149,0.149 cw(c0.27,0) 0.025,0.371 cw(c0.27,0) 0.159,0.431 ; 0.465,-0.431 ccw(c0.355,0) 0.625,-0.353 ccw(c0.355,0) 0.799,0 ccw(c0.355,0) 0.791,0.087 ccw(c0.355,0) 0.774,0.149 ccw(c0.355,0) 0.465,0.431
Solderbridge-Open#4 [mm]
  round 0.2 smd paste-10: 1(0,0) 2(0.625,0)
  L1 region: 0.389,0.432 0.465,0.505 0.583,0.467 0.648,0.424 0.721,0.351 0.775,0.292 0.833,0.193 0.861,0.099 0.856,-0.122 0.831,-0.193 0.747,-0.33 0.663,-0.411 0.571,-0.469 0.47,-0.5 0.419,-0.483 0.389,-0.43
  L1 region: 0.236,-0.432 0.16,-0.505 0.042,-0.467 -0.023,-0.424 -0.097,-0.351 -0.15,-0.292 -0.208,-0.193 -0.236,-0.099 -0.231,0.122 -0.206,0.193 -0.122,0.33 -0.038,0.411 0.054,0.469 0.155,0.5 0.206,0.483 0.236,0.43
  L1 lines w0.152: 0.159,0.431 ccw(c0.27,0) 0.025,0.371 ccw(c0.27,0) 0,0.353 ccw(c0.27,0) -0.175,0 ccw(c0.27,0) 0.159,-0.431 ; 0.465,0.431 cw(c0.355,0) 0.657,0.326 cw(c0.355,0) 0.774,0.149 cw(c0.355,0) 0.799,0 cw(c0.355,0) 0.794,-0.066 cw(c0.355,0) 0.726,-0.244 cw(c0.355,0) 0.679,-0.305 cw(c0.355,0) 0.657,-0.326 cw(c0.355,0) 0.465,-0.431
Solderbridge-Open#5 [mm]
  round 0.2 smd paste-10: 1(0,0) 2(0.625,0)
  L1 region: 0.236,-0.432 0.16,-0.505 0.042,-0.467 -0.023,-0.424 -0.097,-0.351 -0.15,-0.292 -0.208,-0.193 -0.236,-0.099 -0.231,0.122 -0.206,0.193 -0.122,0.33 -0.038,0.411 0.054,0.469 0.155,0.5 0.206,0.483 0.236,0.43
  L1 region: 0.389,0.432 0.465,0.505 0.583,0.467 0.648,0.424 0.721,0.351 0.775,0.292 0.833,0.193 0.861,0.099 0.856,-0.122 0.831,-0.193 0.747,-0.33 0.663,-0.411 0.571,-0.469 0.47,-0.5 0.419,-0.483 0.389,-0.43
  L1 lines w0.152: 0.465,0.431 cw(c0.355,0) 0.774,0.149 cw(c0.355,0) 0.799,0 cw(c0.355,0) 0.781,-0.127 cw(c0.355,0) 0.772,-0.152 cw(c0.355,0) 0.465,-0.431 ; 0.159,0.431 ccw(c0.27,0) 0.083,0.403 ccw(c0.27,0) 0.06,0.392 ccw(c0.27,0) 0.025,0.371 ccw(c0.27,0) 0,0.353 ccw(c0.27,0) -0.01,0.345 ccw(c0.27,0) -0.057,0.301 ccw(c0.27,0) -0.157,0.122 ccw(c0.27,0) -0.175,0 ccw(c0.27,0) -0.161,-0.107 ccw(c0.27,0) 0.015,-0.364 ccw(c0.27,0) 0.093,-0.408 ccw(c0.27,0) 0.103,-0.412 ccw(c0.27,0) 0.159,-0.431
Solderbridge-Open#6 [mm]
  round 0.2 smd paste-10: 1(0,0) 2(0.625,0)
  L1 region: 0.389,0.432 0.465,0.505 0.583,0.467 0.648,0.424 0.721,0.351 0.775,0.292 0.833,0.193 0.861,0.099 0.856,-0.122 0.831,-0.193 0.747,-0.33 0.663,-0.411 0.571,-0.469 0.47,-0.5 0.419,-0.483 0.389,-0.43
  L1 region: 0.236,-0.432 0.16,-0.505 0.042,-0.467 -0.023,-0.424 -0.097,-0.351 -0.15,-0.292 -0.208,-0.193 -0.236,-0.099 -0.231,0.122 -0.206,0.193 -0.122,0.33 -0.038,0.411 0.054,0.469 0.155,0.5 0.206,0.483 0.236,0.43
  L1 lines w0.152: 0.465,0.431 cw(c0.355,0) 0.548,0.4 cw(c0.355,0) 0.774,0.149 cw(c0.355,0) 0.796,0.057 cw(c0.355,0) 0.774,-0.149 cw(c0.355,0) 0.625,-0.353 cw(c0.355,0) 0.465,-0.431 ; 0.159,0.431 ccw(c0.27,0) 0.025,0.371 ccw(c0.27,0) 0,0.353 ccw(c0.27,0) -0.035,0.324 ccw(c0.27,0) -0.047,0.312 ccw(c0.27,0) -0.149,0.149 ccw(c0.27,0) -0.175,0 ccw(c0.27,0) -0.149,-0.149 ccw(c0.27,0) 0.159,-0.431
Solderbridge-Open#7 [mm]
  round 0.2 smd paste-10: 1(0,0) 2(0.625,0)
  L1 region: 0.236,-0.432 0.16,-0.505 0.042,-0.467 -0.023,-0.424 -0.097,-0.351 -0.15,-0.292 -0.208,-0.193 -0.236,-0.099 -0.231,0.122 -0.206,0.193 -0.122,0.33 -0.038,0.411 0.054,0.469 0.155,0.5 0.206,0.483 0.236,0.43
  L1 region: 0.389,0.432 0.465,0.505 0.583,0.467 0.648,0.424 0.721,0.351 0.775,0.292 0.833,0.193 0.861,0.099 0.856,-0.122 0.831,-0.193 0.747,-0.33 0.663,-0.411 0.571,-0.469 0.47,-0.5 0.419,-0.483 0.389,-0.43
  L1 lines w0.152: 0.159,0.431 ccw(c0.27,0) 0.025,0.371 ccw(c0.27,0) 0,0.353 ccw(c0.27,0) -0.149,0.149 ccw(c0.27,0) -0.175,0 ccw(c0.27,0) -0.137,-0.178 ccw(c0.27,0) -0.025,-0.333 ccw(c0.27,0) 0,-0.353 ccw(c0.27,0) 0.159,-0.431
Solderbridge-Open#8 [mm]
  round 0.2 smd paste-10: 1(0,0) 2(0.625,0)
  L1 region: 0.389,0.432 0.465,0.505 0.583,0.467 0.648,0.424 0.721,0.351 0.775,0.292 0.833,0.193 0.861,0.099 0.856,-0.122 0.831,-0.193 0.747,-0.33 0.663,-0.411 0.571,-0.469 0.47,-0.5 0.419,-0.483 0.389,-0.43
  L1 region: 0.236,-0.432 0.16,-0.505 0.042,-0.467 -0.023,-0.424 -0.097,-0.351 -0.15,-0.292 -0.208,-0.193 -0.236,-0.099 -0.231,0.122 -0.206,0.193 -0.122,0.33 -0.038,0.411 0.054,0.469 0.155,0.5 0.206,0.483 0.236,0.43
  L1 lines w0.152: 0.465,0.431 cw(c0.355,0) 0.774,0.149 cw(c0.355,0) 0.465,-0.431 ; 0.159,0.431 ccw(c0.27,0) 0.025,0.371 ccw(c0.27,0) -0.149,0.149 ccw(c0.27,0) -0.175,0 ccw(c0.27,0) 0,-0.353 ccw(c0.27,0) 0.159,-0.431
Solderbridge-Option#1 [mm]
  round 0.2 smd paste-10: 1(0,0) 2(0.75,0) 3(1.501,0)
  L1 region: 1.265,0.432 1.341,0.505 1.459,0.467 1.523,0.424 1.597,0.351 1.65,0.292 1.709,0.193 1.737,0.099 1.732,-0.122 1.706,-0.193 1.623,-0.33 1.539,-0.411 1.447,-0.469 1.346,-0.5 1.295,-0.483 1.265,-0.43
  L1 region: 0.236,-0.432 0.16,-0.505 0.042,-0.467 -0.023,-0.424 -0.097,-0.351 -0.15,-0.292 -0.208,-0.193 -0.236,-0.099 -0.231,0.122 -0.206,0.193 -0.122,0.33 -0.038,0.411 0.054,0.469 0.155,0.5 0.206,0.483 0.236,0.43
  L1 region: 0.575,0.45 0.575,-0.45 0.925,-0.45 0.925,0.45
  L1 lines w0.152: 0.159,0.431 ccw(c0.27,0) 0.159,-0.431 ; 1.341,0.431 cw(c1.231,0) 1.341,-0.431
  L1 lines w0.153: 0.575,0.45 0.575,-0.45 0.925,-0.45 0.925,0.45 0.575,0.45
  L1 lines w0.203: 0,0 0.75,0